# Allegro board SDHCalFEB20180110.brd (continued)
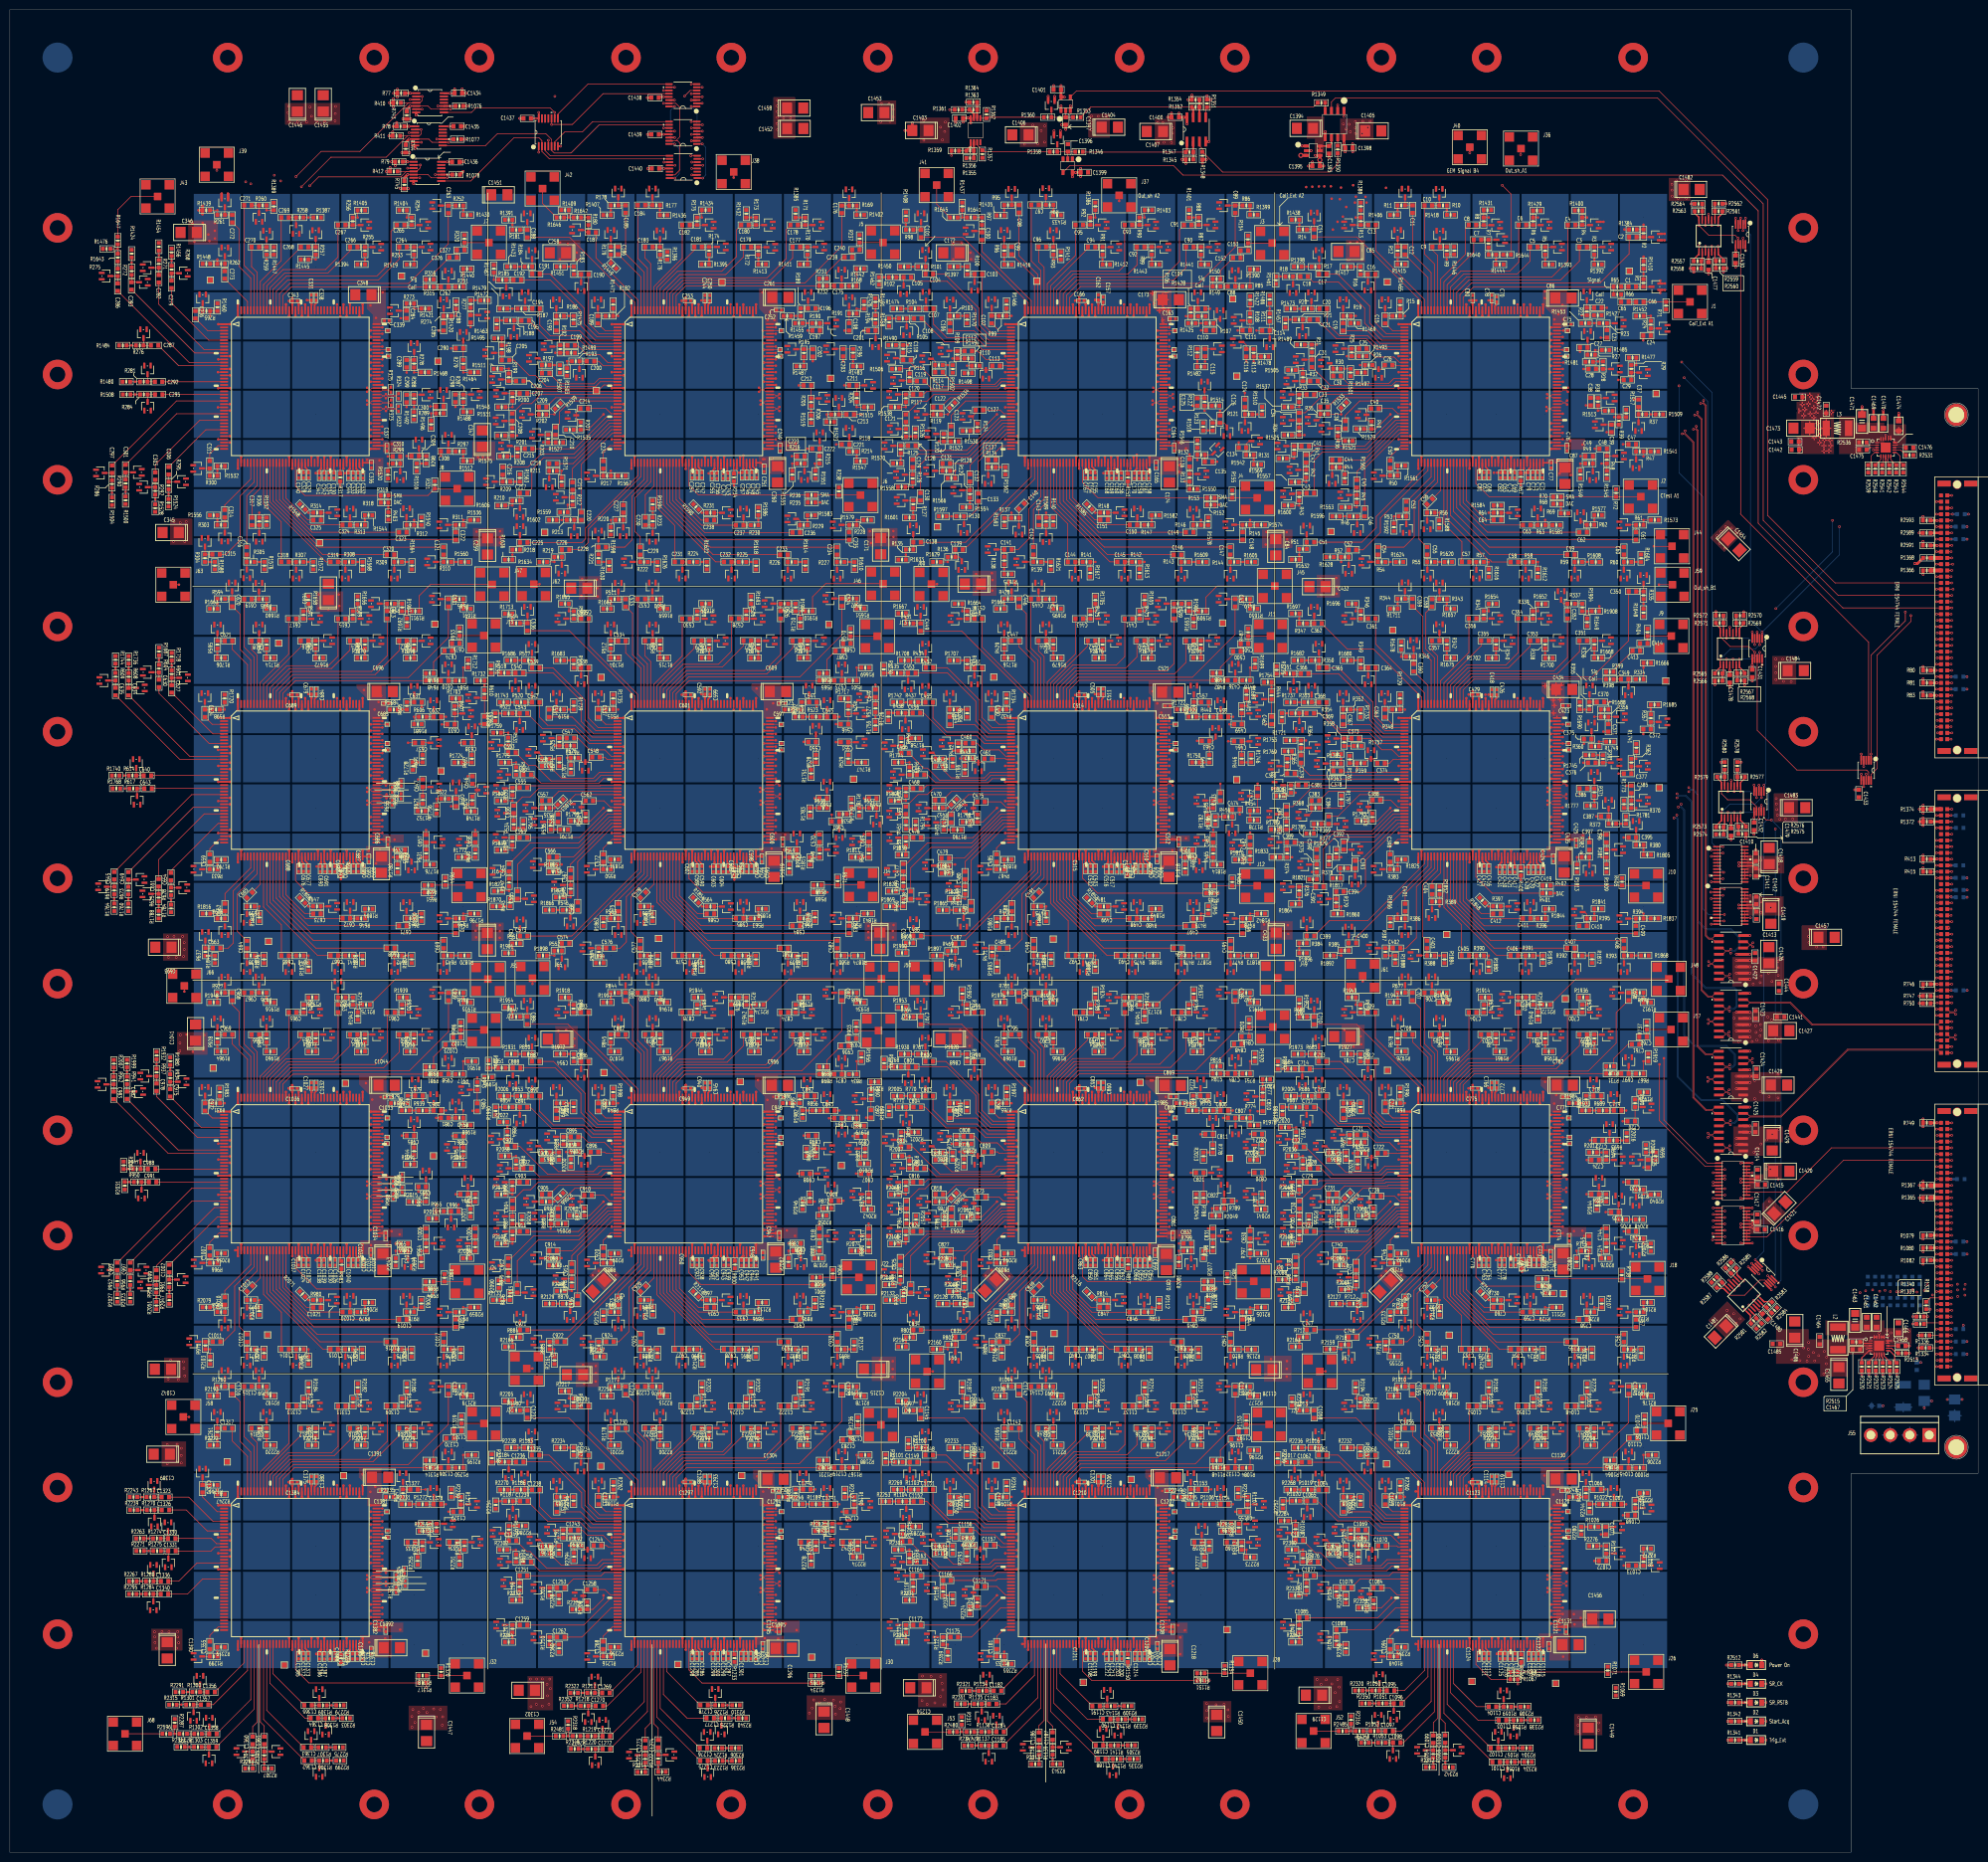
[diagram p0: board, top side]
## Routing (per net, layer and track width the routed paths; a pad name or vN(x,y) marks a point on that pad's centre or on a via; arc(x,y) is an arc through that point) (continued)
  GND3 w0.127: v3(162.2,312.2) v2(162.2,311.46)
GEM_OUT_C24: length 4
  TOP w0.127: R1426.2 173.11,313.66 173.11,313.67 v1(172.2,313.67) 172.2,312.68 R191.1
  GND1 w0.127: v2(172.2,312.94) v1(172.2,313.67)
  GND3 w0.127: v3(172.2,312.2) v2(172.2,312.94)
GEM_OUT_C25: length 26.2
  TOP w0.127: R1499.2 113.37,304.7 R192.1 v1(110.92,304.7)
  GND1 w0.127: v2(110.19,304.7) v1(110.92,304.7)
  SIG3 w0.127: v2(110.19,304.7) 116.84,304.7 119.2,302.34 122.3,302.34 122.44,302.2 v2(131.35,302.2)
  GND3 w0.127: v3(132.2,302.2) v2(131.35,302.2)
GEM_OUT_C26: length 12.1
  TOP w0.127: R1503.2 113.31,302.55 113.31,302.56 v1(113.31,303) R193.1
  GND1 w0.127: v1(113.31,303) v2(114.05,303)
  SIG3 w0.127: v2(114.05,303) 115.37,301.68 v2(121.68,301.68)
  GND3 w0.127: v2(121.68,301.68) v3(122.2,302.2)
GEM_OUT_C27: length 33.2
  TOP w0.127: R194.1 v1(176.03,313.26) 176.03,314.27 R1491.2
  GND1 w0.127: v1(176.03,313.26) v2(176.03,312.52)
  SIG3 w0.127: v2(176.03,312.52) 176.03,310.37 170.99,305.33 154.29,305.33 v2(151.67,302.71)
  GND3 w0.127: v2(151.67,302.71) 151.69,302.71 152.2,302.2 v3(152.2,302.2)
GEM_OUT_C28: length 3.4
  TOP w0.127: R1487.2 161.47,302.93 v1(161.46,302.94) R195.1
  GND1 w0.127: v2(161.46,302.2) v1(161.46,302.94)
  GND3 w0.127: v3(162.2,302.2) v2(161.46,302.2)
GEM_OUT_C29: length 3.5
  TOP w0.127: R196.1 171.47,303.39 171.46,303.38 v1(171.46,302.94) 171.46,301.97 R1483.2
  GND1 w0.127: v2(171.46,302.2) v1(171.46,302.94)
  GND3 w0.127: v3(172.2,302.2) v2(171.46,302.2)
GEM_OUT_C30: length 3.6
  TOP w0.127: R197.1 109.73,302.2 v1(110.73,302.2) 111.85,302.2 R1507.2
  GND1 w0.127: v2(111.46,302.2) v1(110.73,302.2)
  GND3 w0.127: v3(112.2,302.2) v2(111.46,302.2)
GEM_OUT_C31: length 45.3
  TOP w0.127: v1(101.02,306.2) R198.1 100.05,307.64 R1495.2
  GND1 w0.127: v1(101.02,306.2) v2(101.54,305.68)
  SIG3 w0.127: v2(101.54,305.68) 118.81,305.68 121.69,302.8 140.67,302.8 v2(141.27,302.2)
  GND3 w0.127: v3(142.2,302.2) v2(141.27,302.2)
GEM_OUT_C32: length 4
  TOP w0.127: R199.1 101.46,300.49 v1(101.46,301.46) 99.95,301.46 R1511.2
  GND1 w0.127: v2(102.2,301.46) v1(101.46,301.46)
  GND3 w0.127: v3(102.2,302.2) v2(102.2,301.46)
GEM_OUT_C33: length 4.2
  TOP w0.127: R200.1 102.2,294.94 v1(102.2,293.67) 102.19,293.68 R1543.2
  GND1 w0.127: v2(102.2,292.94) v1(102.2,293.67)
  GND3 w0.127: v3(102.2,292.2) v2(102.2,292.94)
GEM_OUT_C34: length 33.3
  TOP w0.127: v1(103.15,287.88) R201.1 100.7,287.88 R1531.2
  GND1 w0.127: v2(103.89,287.88) v1(103.15,287.88)
  SIG3 w0.127: v2(103.89,287.88) 119.63,287.88 123.95,292.2 v2(131.27,292.2)
  GND3 w0.127: v3(132.2,292.2) v2(131.27,292.2)
GEM_OUT_C35: length 4.3
  TOP w0.127: R1539.2 110.73,293.21 v1(110.73,292.2) 109.67,292.2 109.66,292.2 R202.1
  GND1 w0.127: v2(111.46,292.2) v1(110.73,292.2)
  GND3 w0.127: v3(112.2,292.2) v2(111.46,292.2)
GEM_OUT_C36: length 38.6
  TOP w0.127: v1(108.48,286.51) R203.1 110.07,286.51 110.07,286.51 R1527.2
  GND1 w0.127: v1(108.48,286.51) v2(109.22,286.51)
  SIG3 w0.127: v2(141.07,292.2) 140.19,291.31 124.46,291.31 119.66,286.51 v2(109.22,286.51)
  GND3 w0.127: v3(142.2,292.2) v2(141.07,292.2)
GEM_OUT_C37: length 4
  TOP w0.127: R1515.2 173.7,293.67 v1(172.2,293.67) 172.2,294.73 R204.1
  GND1 w0.127: v2(172.2,292.94) v1(172.2,293.67)
  GND3 w0.127: v3(172.2,292.2) v2(172.2,292.94)
GEM_OUT_C38: length 3.4
  TOP w0.127: R205.1 v1(162.94,292.94) R1519.2
  GND1 w0.127: v2(162.94,292.2) v1(162.94,292.94)
  GND3 w0.127: v3(162.2,292.2) v2(162.94,292.2)
GEM_OUT_C39: length 18.3
  TOP w0.127: R1523.2 166.08,291.25 166.09,291.25 v1(166.09,292.18) R206.1
  GND1 w0.127: v2(165.35,292.18) v1(166.09,292.18)
  SIG3 w0.127: v2(165.35,292.18) 164.79,291.62 152.05,291.62 v2(151.46,292.2)
  GND3 w0.127: v3(152.2,292.2) v2(151.46,292.2)
GEM_OUT_C40: length 8.9
  TOP w0.127: v1(120.73,292.2) 117.6,289.08 R207.1 115.19,289.08 115.19,289.08 R1535.2
  GND1 w0.127: v2(121.46,292.2) v1(120.73,292.2)
  GND3 w0.127: v3(122.2,292.2) v2(121.46,292.2)
GEM_OUT_C41: length 3.5
  TOP w0.127: R1575.2 101.75,283.67 101.75,283.67 v1(102.2,283.67) 102.21,283.67 R208.1
  GND1 w0.127: v2(102.2,282.94) v1(102.2,283.67)
  GND3 w0.127: v3(102.2,282.2) v2(102.2,282.94)
GEM_OUT_C42: length 33.3
  TOP w0.127: R1563.2 103.71,278.51 v1(102.74,278.51) R209.1
  GND1 w0.127: v2(103.48,278.51) v1(102.74,278.51)
  SIG3 w0.127: v2(103.48,278.51) 129.17,278.51 v2(132.2,281.54)
  GND3 w0.127: v3(132.2,282.2) v2(132.2,281.54)
GEM_OUT_C43: length 3.9
  TOP w0.127: R210.1 102.2,274.64 v1(102.2,273.67) 100.76,273.67 R1606.2
  GND1 w0.127: v2(102.2,272.94) v1(102.2,273.67)
  GND3 w0.127: v3(102.2,272.2) v2(102.2,272.94)
GEM_OUT_C44: length 3.9
  TOP w0.127: R1571.2 112.21,279.85 112.2,279.87 v1(112.2,280.73) 111.21,280.73 R211.1
  GND1 w0.127: v1(112.2,280.73) v2(112.2,281.46)
  GND3 w0.127: v3(112.2,282.2) v2(112.2,281.46)
GEM_OUT_C45: length 35.3
  TOP w0.127: R212.1 v1(113.44,273.81) 113.44,272.93 113.42,272.91 R1559.2
  GND1 w0.127: v1(113.44,273.81) v2(114.17,273.81)
  SIG3 w0.127: v2(114.17,273.81) 127.64,273.81 135.09,281.27 v2(142.2,281.27)
  GND3 w0.127: v3(142.2,282.2) v2(142.2,281.27)
GEM_OUT_C46: length 3.6
  TOP w0.127: R1602.2 111.74,270.74 111.76,270.73 v1(112.2,270.73) 112.64,270.73 112.66,270.74 R213.1
  GND1 w0.127: v2(112.2,271.46) v1(112.2,270.73)
  GND3 w0.127: v3(112.2,272.2) v2(112.2,271.46)
GEM_OUT_C47: length 3.4
  TOP w0.127: R1547.2 172.2,283.67 v1(172.2,283.67) 172.21,283.69 R214.1
  GND1 w0.127: v2(172.2,282.94) v1(172.2,283.67)
  GND3 w0.127: v3(172.2,282.2) v2(172.2,282.94)
GEM_OUT_C48: length 4
  TOP w0.127: R1551.2 163.8,281.3 163.67,281.43 v1(163.67,282.2) 163.68,282.19 R215.1
  GND1 w0.127: v2(162.94,282.2) v1(163.67,282.2)
  GND3 w0.127: v3(162.2,282.2) v2(162.94,282.2)
GEM_OUT_C49: length 9.4
  TOP w0.127: R216.1 v1(159.11,282.2) 159.11,280.71 R1555.2
  GND1 w0.127: v1(159.11,282.2) v2(158.37,282.2)
  SIG3 w0.127: v2(158.37,282.2) 157.82,282.2 157.82,282.2 v2(152.94,282.2)
  GND3 w0.127: v3(152.2,282.2) v2(152.94,282.2)
GEM_OUT_C50: length 4
  TOP w0.127: v1(122.2,280.73) 122.2,279.7 R217.1 R1567.2
  GND1 w0.127: v2(122.2,281.46) v1(122.2,280.73)
  GND3 w0.127: v3(122.2,282.2) v2(122.2,281.46)
GEM_OUT_C51: length 3.5
  TOP w0.127: R218.1 102.21,263.68 v1(102.2,263.67) 102.19,263.67 R1636.2
  GND1 w0.127: v2(102.2,262.94) v1(102.2,263.67)
  GND3 w0.127: v3(102.2,262.2) v2(102.2,262.94)
GEM_OUT_C52: length 4
  TOP w0.127: R219.1 110.73,263.19 v1(110.73,262.2) 110.28,262.2 110.27,262.21 R1634.2
  GND1 w0.127: v2(111.46,262.2) v1(110.73,262.2)
  GND3 w0.127: v3(112.2,262.2) v2(111.46,262.2)
GEM_OUT_C53: length 4
  TOP w0.127: R220.1 122.22,270.74 v1(122.2,270.73) 122.2,270.28 122.22,270.26 R1598.2
  GND1 w0.127: v2(122.2,271.46) v1(122.2,270.73)
  GND3 w0.127: v3(122.2,272.2) v2(122.2,271.46)
GEM_OUT_C54: length 3.6
  TOP w0.127: R221.1 119.71,262.2 v1(120.73,262.2) 121.17,262.2 121.18,262.19 R1630.2
  GND1 w0.127: v2(121.46,262.2) v1(120.73,262.2)
  GND3 w0.127: v3(122.2,262.2) v2(121.46,262.2)
GEM_OUT_C55: length 3.5
  TOP w0.127: R222.1 v1(130.73,262.2) 130.74,262.19 R1626.2
  GND1 w0.127: v2(131.46,262.2) v1(130.73,262.2)
  GND3 w0.127: v3(132.2,262.2) v2(131.46,262.2)
GEM_OUT_C56: length 3.4
  TOP w0.127: R223.1 130.71,272.19 v1(130.73,272.2) 130.71,272.21 R1594.2
  GND1 w0.127: v2(131.46,272.2) v1(130.73,272.2)
  GND3 w0.127: v3(132.2,272.2) v2(131.46,272.2)
GEM_OUT_C57: length 3.5
  TOP w0.127: R224.1 v1(140.73,262.2) 140.74,262.21 R1622.2
  GND1 w0.127: v2(141.46,262.2) v1(140.73,262.2)
  GND3 w0.127: v3(142.2,262.2) v2(141.46,262.2)
GEM_OUT_C58: length 3.5
  TOP w0.127: R225.1 v1(150.73,262.2) 150.74,262.19 R1618.2
  GND1 w0.127: v2(151.46,262.2) v1(150.73,262.2)
  GND3 w0.127: v3(152.2,262.2) v2(151.46,262.2)
GEM_OUT_C59: length 3.5
  TOP w0.127: R1614.2 160.74,262.21 v1(160.73,262.2) R226.1
  GND1 w0.127: v2(161.46,262.2) v1(160.73,262.2)
  GND3 w0.127: v3(162.2,262.2) v2(161.46,262.2)
GEM_OUT_C60: length 3.5
  TOP w0.127: R1610.2 170.74,262.19 v1(170.73,262.2) R227.1
  GND1 w0.127: v2(171.46,262.2) v1(170.73,262.2)
  GND3 w0.127: v3(172.2,262.2) v2(171.46,262.2)
GEM_OUT_C61: length 3.9
  TOP w0.127: R228.1 172.21,270.71 v1(172.2,270.73) 172.64,270.73 172.65,270.73 R1579.2
  GND1 w0.127: v2(172.2,271.46) v1(172.2,270.73)
  GND3 w0.127: v3(172.2,272.2) v2(172.2,271.46)
GEM_OUT_C62: length 3.5
  TOP w0.127: R229.1 162.2,270.72 v1(162.2,270.73) 162.2,270.73 R1583.2
  GND1 w0.127: v2(162.2,271.46) v1(162.2,270.73)
  GND3 w0.127: v3(162.2,272.2) v2(162.2,271.46)
GEM_OUT_C63: length 3.5
  TOP w0.127: R230.1 152.2,270.26 152.2,270.27 v1(152.2,270.73) R1586.2
  GND1 w0.127: v2(152.2,271.46) v1(152.2,270.73)
  GND3 w0.127: v3(152.2,272.2) v2(152.2,271.46)
GEM_OUT_C64: length 3.4
  TOP w0.127: R1590.2 140.06,272.86 v1(140.73,272.2) 140.74,272.19 R231.1
  GND1 w0.127: v2(141.46,272.2) v1(140.73,272.2)
  GND3 w0.127: v3(142.2,272.2) v2(141.46,272.2)
GEM_OUT_D1: length 5.1
  TOP w0.127: R251.1 92.2,318.12 v1(92.2,320.73) 92.2,321.74 R1440.2
  GND1 w0.127: v2(92.2,321.46) v1(92.2,320.73)
  GND3 w0.127: v3(92.2,322.2) v2(92.2,321.46)
GEM_OUT_D2: length 3.4
  TOP w0.127: R1430.2 92.2,333.67 v1(92.2,333.67) 92.2,334.61 R252.1
  GND1 w0.127: v2(92.2,332.94) v1(92.2,333.67)
  GND3 w0.127: v3(92.2,332.2) v2(92.2,332.94)
GEM_OUT_D3: length 3.5
  TOP w0.127: R1419.2 82.2,322.66 v1(82.2,323.67) 82.2,324.67 R253.1
  GND1 w0.127: v2(82.2,322.94) v1(82.2,323.67)
  GND3 w0.127: v3(82.2,322.2) v2(82.2,322.94)
GEM_OUT_D4: length 4
  TOP w0.127: R254.1 81.74,332.2 v1(80.73,332.2) 80.73,333.08 80.72,333.08 R1404.2
  GND1 w0.127: v2(81.46,332.2) v1(80.73,332.2)
  GND3 w0.127: v3(82.2,332.2) v2(81.46,332.2)
GEM_OUT_D5: length 3.5
  TOP w0.127: R1394.2 72.2,322.69 v1(72.2,323.67) 72.2,324.66 R255.1
  GND1 w0.127: v2(72.2,322.94) v1(72.2,323.67)
  GND3 w0.127: v3(72.2,322.2) v2(72.2,322.94)
GEM_OUT_D6: length 3.9
  TOP w0.127: R256.1 69.73,332.2 v1(70.73,332.2) 70.73,333.64 R1405.2
  GND1 w0.127: v2(71.46,332.2) v1(70.73,332.2)
  GND3 w0.127: v3(72.2,332.2) v2(71.46,332.2)
GEM_OUT_D7: length 4
  TOP w0.127: R257.1 62.2,323.68 v1(62.2,323.67) 61.28,323.67 61.28,323.67 R1445.2
  GND1 w0.127: v2(62.2,322.94) v1(62.2,323.67)
  GND3 w0.127: v3(62.2,322.2) v2(62.2,322.94)
GEM_OUT_D8: length 3.5
  TOP w0.127: R258.1 59.74,332.2 v1(60.73,332.2) 61.74,332.2 R1387.2
  GND1 w0.127: v2(61.46,332.2) v1(60.73,332.2)
  GND3 w0.127: v3(62.2,332.2) v2(61.46,332.2)
GEM_OUT_D9: length 4
  TOP w0.127: v1(52.2,323.67) 52.2,323.68 R259.1 53.09,324.67 53.1,324.66 R1447.2
  GND1 w0.127: v2(52.2,322.94) v1(52.2,323.67)
  GND3 w0.127: v3(52.2,322.2) v2(52.2,322.94)
GEM_OUT_D10: length 3.9
  TOP w0.127: R260.1 52.2,334.66 v1(52.2,333.67) 53.07,333.67 53.07,333.68 R1389.2
  GND1 w0.127: v2(52.2,332.94) v1(52.2,333.67)
  GND3 w0.127: v3(52.2,332.2) v2(52.2,332.94)
GEM_OUT_D11: length 3.9
  TOP w0.127: R1439.2 41.26,333.68 41.27,333.67 v1(42.2,333.67) 42.2,332.72 R261.1
  GND1 w0.127: v2(42.2,332.94) v1(42.2,333.67)
  GND3 w0.127: v3(42.2,332.2) v2(42.2,332.94)
GEM_OUT_D12: length 3.8
  TOP w0.127: v1(42.2,323.67) 42.2,322.79 R262.1 R1448.2
  GND1 w0.127: v2(42.2,322.94) v1(42.2,323.67)
  GND3 w0.127: v3(42.2,322.2) v2(42.2,322.94)
GEM_OUT_D15: length 4
  TOP w0.127: v1(40.73,312.2) 40.73,312.21 R265.1 R1460.2
  GND1 w0.127: v2(41.46,312.2) v1(40.73,312.2)
  GND3 w0.127: v3(42.2,312.2) v2(41.46,312.2)
GEM_OUT_D18: length 26.8
  TOP w0.127: R268.1 v1(32.89,323.39) R1456.2
  GND1 w0.127: v1(32.89,323.39) v2(32.89,322.66)
  SIG3 w0.127: v2(52.2,312.94) 42.61,312.94 v2(32.89,322.66)
  GND3 w0.127: v3(52.2,312.2) v2(52.2,312.94)
GEM_OUT_D21: length 39.8
  TOP w0.127: R1454.2 v1(30.3,324.54) R271.1
  GND1 w0.127: v1(30.3,324.54) v2(30.3,323.8)
  SIG3 w0.127: v2(30.3,323.8) 45.54,323.8 56.41,312.93 v2(62.12,312.93)
  GND3 w0.127: v3(62.2,312.2) 62.2,312.6 62.15,312.65 62.15,312.9 v2(62.12,312.93)
GEM_OUT_D22: length 55.4
  TOP w0.127: R1424.2 v1(24.77,323.06) R272.1
  GND1 w0.127: v1(24.77,323.06) v2(24.77,322.33)
  SIG3 w0.127: v2(24.77,322.33) 35.63,311.46 v2(72.2,311.46)
  GND3 w0.127: v3(72.2,312.2) v2(72.2,311.46)
GEM_OUT_D23: length 4
  TOP w0.127: R273.1 82.19,313.69 v1(82.2,313.67) 82.64,313.67 82.65,313.66 R1421.2
  GND1 w0.127: v2(82.2,312.94) v1(82.2,313.67)
  GND3 w0.127: v3(82.2,312.2) v2(82.2,312.94)
GEM_OUT_D24: length 3.9
  TOP w0.127: R1420.2 90.73,312.65 90.73,312.64 v1(90.73,312.2) 90.72,312.19 R274.1
  GND1 w0.127: v2(91.46,312.2) v1(90.73,312.2)
  GND3 w0.127: v3(92.2,312.2) v2(91.46,312.2)
GEM_OUT_D25: length 1.5
  TOP w0.127: R1643.1 21.94,321.81 R275.1
GEM_OUT_D26: length 21.1
  TOP w0.127: R1484.2 v1(24.71,306.2) R276.1
  GND1 w0.127: v2(25.45,306.2) v1(24.71,306.2)
  SIG3 w0.127: v2(41.46,302.2) 29.45,302.2 v2(25.45,306.2)
  GND3 w0.127: v3(42.2,302.2) v2(41.46,302.2)
GEM_OUT_D27: length 32.2
  TOP w0.127: R277.1 v1(94.69,315.38) 95.14,315.38 95.15,315.37 R1472.2
  GND1 w0.127: v2(94.69,314.65) v1(94.69,315.38)
  SIG3 w0.127: v2(94.69,314.65) 94.69,314.15 87.15,306.6 76.89,306.6 72.48,302.2 v2(71.46,302.2)
  GND3 w0.127: v3(72.2,302.2) v2(71.46,302.2)
GEM_OUT_D28: length 3.9
  TOP w0.127: R278.1 82.19,300.73 v1(82.2,300.73) 82.64,300.73 82.65,300.74 R1468.2
  GND1 w0.127: v2(82.2,301.46) v1(82.2,300.73)
  GND3 w0.127: v3(82.2,302.2) v2(82.2,301.46)
GEM_OUT_D29: length 3.9
  TOP w0.127: R1464.2 92.65,300.74 92.64,300.73 v1(92.2,300.73) 92.2,300.73 R279.1
  GND1 w0.127: v2(92.2,301.46) v1(92.2,300.73)
  GND3 w0.127: v3(92.2,302.2) v2(92.2,301.46)
GEM_OUT_D31: length 30.1
  TOP w0.127: R281.1 v1(25.48,298.83) R1480.2
  GND1 w0.127: v1(25.48,298.83) v2(26.21,298.83)
  SIG3 w0.127: v2(26.21,298.83) 39.85,298.83 43.22,302.2 v2(51.46,302.2)
  GND3 w0.127: v3(52.2,302.2) v2(51.46,302.2)
GEM_OUT_D34: length 20.4
  TOP w0.127: R284.1 v1(25.48,296.24) 25.47,296.24 R1508.2
  GND1 w0.127: v2(26.21,296.24) v1(25.48,296.24)
  SIG3 w0.127: v2(40.57,292.2) 30.25,292.2 v2(26.21,296.24)
  GND3 w0.127: v3(42.2,292.2) v2(40.57,292.2)
GEM_OUT_D36: length 40.4
  TOP w0.127: R1504.2 20.77,276.25 v1(20.78,276.25) R286.1
  GND1 w0.127: v2(20.78,276.99) v1(20.78,276.25)
  SIG3 w0.127: v2(51.46,292.2) 50.3,291.03 34.82,291.03 v2(20.78,276.99)
  GND3 w0.127: v3(52.2,292.2) v2(51.46,292.2)
GEM_OUT_D37: length 3.5
  TOP w0.127: R287.1 92.2,294.12 92.2,294.12 v1(92.2,293.67) 92.2,292.69 R1488.2
  GND1 w0.127: v2(92.2,292.94) v1(92.2,293.67)
  GND3 w0.127: v3(92.2,292.2) v2(92.2,292.94)
GEM_OUT_D38: length 3.5
  TOP w0.127: R288.1 82.19,293.68 v1(82.2,293.67) 82.19,293.66 R1492.2
  GND1 w0.127: v2(82.2,292.94) v1(82.2,293.67)
  GND3 w0.127: v3(82.2,292.2) v2(82.2,292.94)
GEM_OUT_D39: length 19.2
  TOP w0.127: R289.1 v1(85.67,292.4) 85.67,291.96 85.67,291.96 R1496.2
  GND1 w0.127: v2(84.94,292.4) v1(85.67,292.4)
  SIG3 w0.127: v2(84.94,292.4) 84.2,291.67 71.4,291.67 v2(70.87,292.2)
  GND3 w0.127: v3(72.2,292.2) v2(70.87,292.2)
GEM_OUT_D40: length 47.9
  TOP w0.127: R290.1 v1(23.55,276.45) 23.54,276.45 R1500.2
  GND1 w0.127: v1(23.55,276.45) v2(23.55,277.19)
  SIG3 w0.127: v2(62.2,291.46) 60.5,289.76 36.12,289.76 v2(23.55,277.19)
  GND3 w0.127: v3(62.2,292.2) v2(62.2,291.46)
GEM_OUT_D42: length 28.1
  TOP w0.127: R292.1 v1(29.57,274.9) 29.56,274.9 R1528.2
  GND1 w0.127: v2(29.57,275.64) v1(29.57,274.9)
  SIG3 w0.127: v2(29.57,275.64) 36.12,282.2 v2(51.46,282.2)
  GND3 w0.127: v3(52.2,282.2) v2(51.46,282.2)
GEM_OUT_D45: length 35.4
  TOP w0.127: R1524.2 32.28,275.99 v1(32.28,276) R295.1
  GND1 w0.127: v2(32.28,276.73) v1(32.28,276)
  SIG3 w0.127: v2(62.2,281.38) 57.56,276.73 v2(32.28,276.73)
  GND3 w0.127: v3(62.2,282.2) v2(62.2,281.38)
GEM_OUT_D47: length 3.4
  TOP w0.127: R297.1 92.2,283.68 v1(92.2,283.67) 92.22,283.66 R1512.2
  GND1 w0.127: v2(92.2,282.94) v1(92.2,283.67)
  GND3 w0.127: v3(92.2,282.2) v2(92.2,282.94)
GEM_OUT_D48: length 3.4
  TOP w0.127: R1516.2 83.67,282.2 v1(83.67,282.2) 83.68,282.19 R298.1
  GND1 w0.127: v2(82.94,282.2) v1(83.67,282.2)
  GND3 w0.127: v3(82.2,282.2) v2(82.94,282.2)
GEM_OUT_D49: length 7.2
  TOP w0.127: R1520.2 76.88,281.25 76.89,281.25 v1(76.89,282.2) 77.84,282.2 R299.1
  GND1 w0.127: v2(76.15,282.2) v1(76.89,282.2)
  SIG3 w0.127: v2(76.15,282.2) v2(72.94,282.2)
  GND3 w0.127: v3(72.2,282.2) v2(72.94,282.2)
GEM_OUT_D50: length 3.5
  TOP w0.127: R1532.2 42.21,280.73 v1(42.2,280.73) 42.19,280.72 R300.1
  GND1 w0.127: v2(42.2,281.46) v1(42.2,280.73)
  GND3 w0.127: v3(42.2,282.2) v2(42.2,281.46)
GEM_OUT_D53: length 3.4
  TOP w0.127: R303.1 42.2,269.73 v1(42.2,270.73) 42.2,271.68 R1556.2
  GND1 w0.127: v2(42.2,271.46) v1(42.2,270.73)
  GND3 w0.127: v3(42.2,272.2) v2(42.2,271.46)
GEM_OUT_D54: length 3.5
  TOP w0.127: R1580.2 41.66,262.2 v1(40.73,262.2) 40.28,262.2 40.28,262.2 R304.1
  GND1 w0.127: v2(41.46,262.2) v1(40.73,262.2)
  GND3 w0.127: v3(42.2,262.2) v2(41.46,262.2)
GEM_OUT_D55: length 3.5
  TOP w0.127: R305.1 50.72,262.2 v1(50.73,262.2) 50.74,262.21 R1576.2
  GND1 w0.127: v2(51.46,262.2) v1(50.73,262.2)
  GND3 w0.127: v3(52.2,262.2) v2(51.46,262.2)
GEM_OUT_D56: length 4
  TOP w0.127: v1(50.73,272.2) 50.72,272.2 R306.1 52.21,271.2 R1552.2
  GND1 w0.127: v2(51.46,272.2) v1(50.73,272.2)
  GND3 w0.127: v3(52.2,272.2) v2(51.46,272.2)
GEM_OUT_D57: length 3.5
  TOP w0.127: R307.1 60.72,262.2 v1(60.73,262.2) 60.74,262.21 R1572.2
  GND1 w0.127: v2(61.46,262.2) v1(60.73,262.2)
  GND3 w0.127: v3(62.2,262.2) v2(61.46,262.2)
GEM_OUT_D58: length 3.5
  TOP w0.127: R308.1 70.72,262.2 v1(70.73,262.2) 70.74,262.21 R1568.2
  GND1 w0.127: v2(71.46,262.2) v1(70.73,262.2)
  GND3 w0.127: v3(72.2,262.2) v2(71.46,262.2)
GEM_OUT_D59: length 3.5
  TOP w0.127: R309.1 80.28,262.2 80.28,262.2 v1(80.73,262.2) 80.74,262.21 R1564.2
  GND1 w0.127: v2(81.46,262.2) v1(80.73,262.2)
  GND3 w0.127: v3(82.2,262.2) v2(81.46,262.2)
GEM_OUT_D60: length 3.5
  TOP w0.127: R310.1 90.72,262.2 v1(90.73,262.2) R1560.2
  GND1 w0.127: v2(91.46,262.2) v1(90.73,262.2)
  GND3 w0.127: v3(92.2,262.2) v2(91.46,262.2)
GEM_OUT_D61: length 3.9
  TOP w0.127: R1536.2 93.66,270.73 v1(92.2,270.73) 92.2,269.72 R311.1
  GND1 w0.127: v2(92.2,271.46) v1(92.2,270.73)
  GND3 w0.127: v3(92.2,272.2) v2(92.2,271.46)
GEM_OUT_D62: length 4
  TOP w0.127: R1540.2 83.69,269.72 R312.1 82.19,270.72 v1(82.2,270.73)
  GND1 w0.127: v2(82.2,271.46) v1(82.2,270.73)
  GND3 w0.127: v3(82.2,272.2) v2(82.2,271.46)
GEM_OUT_D63: length 3.5
  TOP w0.127: R313.1 72.19,270.71 v1(72.2,270.73) 72.18,270.75 R1544.2
  GND1 w0.127: v2(72.2,271.46) v1(72.2,270.73)
  GND3 w0.127: v3(72.2,272.2) v2(72.2,271.46)
GEM_OUT_D64: length 3.4
  TOP w0.127: R314.1 60.74,272.21 v1(60.73,272.2) 60.05,272.87 60.05,272.89
  GND1 w0.127: v2(61.46,272.2) v1(60.73,272.2)
  GND3 w0.127: v3(62.2,272.2) v2(61.46,272.2)
GEM_OUT_E1: length 4.8
  TOP w0.127: R334.1 332.2,238.38 v1(332.2,240.73) 332.2,241.67 R1666.2
  GND1 w0.127: v2(332.2,241.46) v1(332.2,240.73)
  GND3 w0.127: v3(332.2,242.2) v2(332.2,241.46)
GEM_OUT_E2: length 3.5
  TOP w0.127: R335.1 332.21,253.68 v1(332.2,253.67) 332.2,253.67 R1648.2
  GND1 w0.127: v2(332.2,252.94) v1(332.2,253.67)
  GND3 w0.127: v3(332.2,252.2) v2(332.2,252.94)
GEM_OUT_E3: length 3.5
  TOP w0.127: R1668.2 322.19,243.66 v1(322.2,243.67) R336.1
  GND1 w0.127: v2(322.2,242.94) v1(322.2,243.67)
  GND3 w0.127: v3(322.2,242.2) v2(322.2,242.94)
GEM_OUT_E4: length 1.5
  TOP w0.127: R1904.1 R337.1
GEM_OUT_E5: length 3.5
  TOP w0.127: R1700.2 312.21,243.67 v1(312.2,243.67) 312.19,243.68 R338.1
  GND1 w0.127: v2(312.2,242.94) v1(312.2,243.67)
  GND3 w0.127: v3(312.2,242.2) v2(312.2,242.94)
GEM_OUT_E6: length 3.9
  TOP w0.127: R339.1 310.71,252.19 v1(310.73,252.2) 310.73,252.64 310.73,252.65 R1652.2
  GND1 w0.127: v2(311.46,252.2) v1(310.73,252.2)
  GND3 w0.127: v3(312.2,252.2) v2(311.46,252.2)
GEM_OUT_E7: length 3.5
  TOP w0.127: R340.1 302.21,243.68 v1(302.2,243.67) 302.19,243.67 R1702.2
  GND1 w0.127: v2(302.2,242.94) v1(302.2,243.67)
  GND3 w0.127: v3(302.2,242.2) v2(302.2,242.94)
GEM_OUT_E8: length 4
  TOP w0.127: R341.1 300.71,252.21 v1(300.73,252.2) 300.73,252.64 R1654.2
  GND1 w0.127: v2(301.46,252.2) v1(300.73,252.2)
  GND3 w0.127: v3(302.2,252.2) v2(301.46,252.2)
GEM_OUT_E9: length 3.5
  TOP w0.127: R342.1 292.2,243.67 v1(292.2,243.67) 292.2,242.7 R1675.2
  GND1 w0.127: v2(292.2,242.94) v1(292.2,243.67)
  GND3 w0.127: v3(292.2,242.2) v2(292.2,242.94)
GEM_OUT_E10: length 3.4
  TOP w0.127: R343.1 292.22,253.69 v1(292.2,253.67) 292.19,253.67 R1657.2
  GND1 w0.127: v2(292.2,252.94) v1(292.2,253.67)
  GND3 w0.127: v3(292.2,252.2) v2(292.2,252.94)
GEM_OUT_E11: length 3.5
  TOP w0.127: R344.1 282.2,253.68 v1(282.2,253.67) 282.2,252.69 R1711.2
  GND1 w0.127: v2(282.2,252.94) v1(282.2,253.67)
  GND3 w0.127: v3(282.2,252.2) v2(282.2,252.94)
GEM_OUT_E12: length 4
  TOP w0.127: R1678.2 282.93,243.38 282.94,243.38 v1(282.94,242.94) 282.95,242.95 R345.1
  GND1 w0.127: v2(282.2,242.94) v1(282.94,242.94)
  GND3 w0.127: v3(282.2,242.2) v2(282.2,242.94)
GEM_OUT_E13: length 4
  TOP w0.127: R1696.2 273.69,252.67 273.67,252.64 v1(273.67,252.2) 274.69,252.2 R346.1
  GND1 w0.127: v2(272.94,252.2) v1(273.67,252.2)
  GND3 w0.127: v3(272.2,252.2) v2(272.94,252.2)
GEM_OUT_E14: length 3.5
  TOP w0.127: R1697.2 262.21,250.74 v1(262.2,250.73) 262.21,250.71 R347.1
  GND1 w0.127: v2(262.2,251.46) v1(262.2,250.73)
  GND3 w0.127: v3(262.2,252.2) v2(262.2,251.46)
GEM_OUT_E15: length 4
  TOP w0.127: v1(283.67,232.2) 283.67,232.21 R348.1 282.67,232.8 282.68,232.82 R1729.2
  GND1 w0.127: v2(282.94,232.2) v1(283.67,232.2)
  GND3 w0.127: v3(282.2,232.2) v2(282.94,232.2)
GEM_OUT_E16: length 3.5
  TOP w0.127: R1680.2 273.67,242.19 v1(273.67,242.2) 273.68,242.21 R349.1
  GND1 w0.127: v2(272.94,242.2) v1(273.67,242.2)
  GND3 w0.127: v3(272.2,242.2) v2(272.94,242.2)
GEM_OUT_E17: length 3.5
  TOP w0.127: R350.1 264.66,242.2 v1(263.67,242.2) 262.68,242.2 R1682.2
  GND1 w0.127: v1(263.67,242.2) v2(262.94,242.2)
  GND3 w0.127: v3(262.2,242.2) v2(262.94,242.2)
GEM_OUT_E18: length 39.1
  TOP w0.127: R351.1 v1(258.55,239.5) 257.59,239.5 R1725.2
  GND1 w0.127: v1(258.55,239.5) v2(259.28,239.5)
  SIG3 w0.127: v2(259.28,239.5) 285.8,239.5 v2(292.2,233.09)
  GND3 w0.127: v3(292.2,232.2) v2(292.2,233.09)
GEM_OUT_E19: length 3.5
  TOP w0.127: R352.1 273.22,232.21 273.23,232.2 v1(273.67,232.2) 273.68,232.19 R1733.2
  GND1 w0.127: v2(272.94,232.2) v1(273.67,232.2)
  GND3 w0.127: v3(272.2,232.2) v2(272.94,232.2)
GEM_OUT_E20: length 3.5
  TOP w0.127: R353.1 262.21,233.68 v1(262.2,233.67) 261.21,233.67 R1737.2
  GND1 w0.127: v2(262.2,232.94) v1(262.2,233.67)
  GND3 w0.127: v3(262.2,232.2) v2(262.2,232.94)
GEM_OUT_E21: length 46.7
  TOP w0.127: R354.1 v1(259.69,231.44) 258.68,231.44 R1721.2
  GND1 w0.127: v2(258.95,231.44) v1(259.69,231.44)
  SIG3 w0.127: v2(258.95,231.44) 301.64,231.44 301.65,231.44 v2(302.2,231.44)
  GND3 w0.127: v3(302.2,232.2) v2(302.2,231.44)
GEM_OUT_E22: length 10
  TOP w0.127: R355.1 v1(320.24,232.22) 319.26,232.22 R1690.2
  GND1 w0.127: v1(320.24,232.22) v2(319.51,232.22)
  SIG3 w0.127: v2(319.51,232.22) 313.5,232.22 313.48,232.2 v2(312.94,232.2)
  GND3 w0.127: v3(312.2,232.2) v2(312.94,232.2)
GEM_OUT_E23: length 4.3
  TOP w0.127: v1(322.2,230.73) 323.52,230.73 R356.1 323.53,232.22 R1688.2
  GND1 w0.127: v2(322.2,231.46) v1(322.2,230.73)
  GND3 w0.127: v3(322.2,232.2) v2(322.2,231.46)
GEM_OUT_E24: length 3.5
  TOP w0.127: R1685.2 333.67,233.19 v1(333.67,232.2) 333.68,232.19 R357.1
  GND1 w0.127: v2(332.94,232.2) v1(333.67,232.2)
  GND3 w0.127: v3(332.2,232.2) v2(332.94,232.2)
GEM_OUT_E25: length 23
  TOP w0.127: R1757.2 272.33,224.81 v1(272.31,224.8) R358.1
  GND1 w0.127: v1(272.31,224.8) v2(272.83,224.28)
  SIG3 w0.127: v2(291.46,222.2) 282.5,222.2 281.18,223.52 273.59,223.52 v2(272.83,224.28)
  GND3 w0.127: v3(292.2,222.2) v2(291.46,222.2)
GEM_OUT_E26: length 11.6
  TOP w0.127: R1761.2 273.07,221.3 273.08,221.31 R359.1 v1(273.95,220.27)
  GND1 w0.127: v1(273.95,220.27) v2(274.68,220.27)
  SIG3 w0.127: v2(274.68,220.27) 280.27,220.27 v2(281.68,221.68)
  GND3 w0.127: v3(282.2,222.2) v2(281.68,221.68)
GEM_OUT_E27: length 16.7
  TOP w0.127: R360.1 v1(323.13,225.68) 324.62,225.68 R1749.2
  GND1 w0.127: v1(323.13,225.68) v2(323.13,224.94)
  SIG3 w0.127: v2(311.68,221.68) 312.36,221.68 314.05,223.37 321.56,223.37 v2(323.13,224.94)
  GND3 w0.127: v3(312.2,222.2) v2(311.68,221.68)
GEM_OUT_E28: length 3.5
  TOP w0.127: R1745.2 322.93,222.94 v1(322.94,222.94) 323.94,222.94 R361.1
  GND1 w0.127: v2(322.94,222.2) v1(322.94,222.94)
  GND3 w0.127: v3(322.2,222.2) v2(322.94,222.2)
GEM_OUT_E29: length 4
  TOP w0.127: R1741.2 330.73,223.68 v1(330.73,222.2) 330.72,222.19 R362.1
  GND1 w0.127: v2(331.46,222.2) v1(330.73,222.2)
  GND3 w0.127: v3(332.2,222.2) v2(331.46,222.2)
GEM_OUT_E30: length 3.4
  TOP w0.127: R1765.2 270.7,222.21 v1(270.69,222.2) 270.68,222.19 R363.1
  GND1 w0.127: v2(271.42,222.2) v1(270.69,222.2)
  GND3 w0.127: v2(271.42,222.2) v3(272.16,222.2)
GEM_OUT_E31: length 43.3
  TOP w0.127: v1(263.55,225.92) R364.1 261.96,225.92 261.95,225.94 R1753.2
  GND1 w0.127: v1(263.55,225.92) v2(264.29,225.92)
  SIG3 w0.127: v2(302.2,222.94) 289.79,222.94 289.56,222.71 283.13,222.71 279.92,225.92 v2(264.29,225.92)
  GND3 w0.127: v3(302.2,222.2) v2(302.2,222.94)
